# KiCad board reverse.kicad_pcb
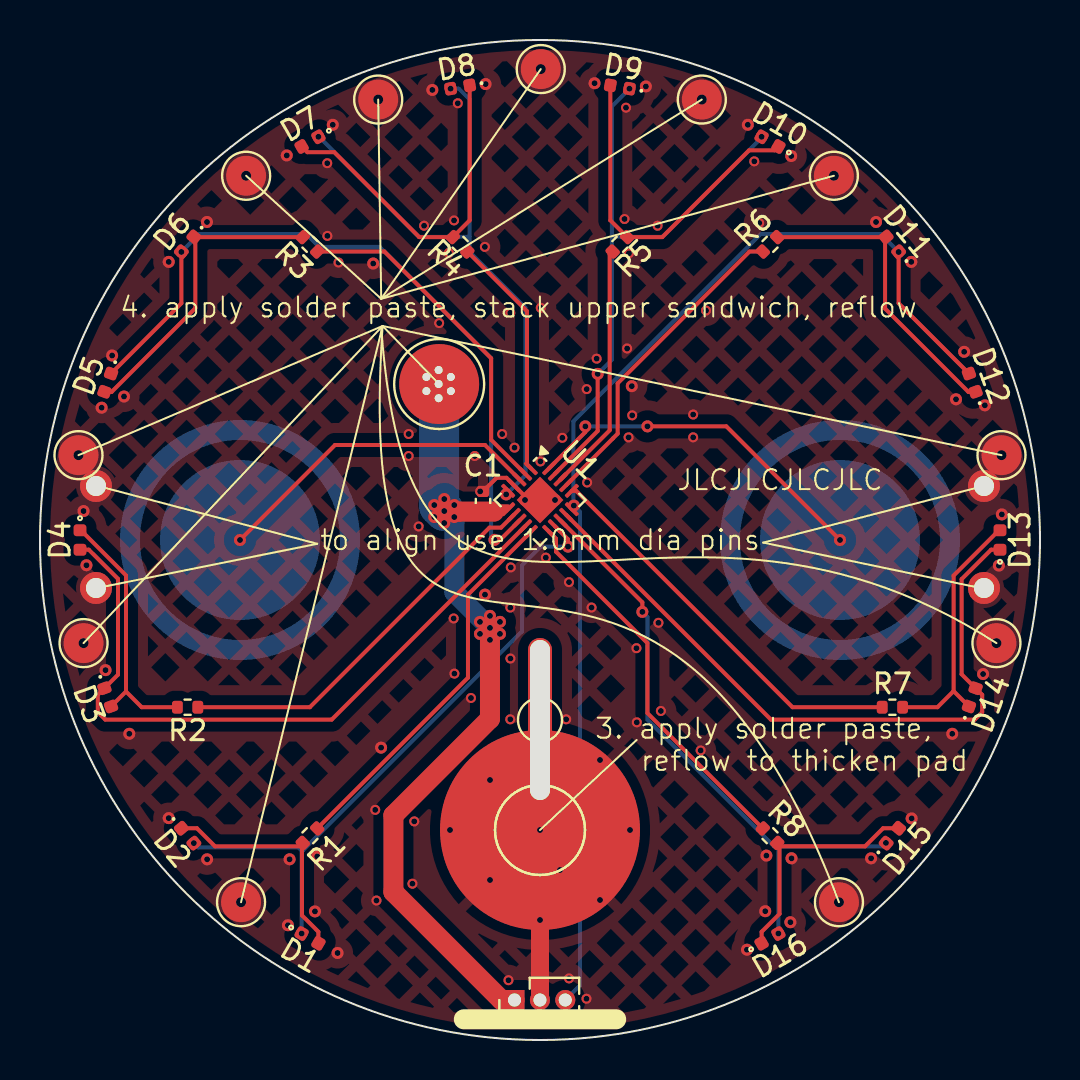
[diagram p0: board, top side]
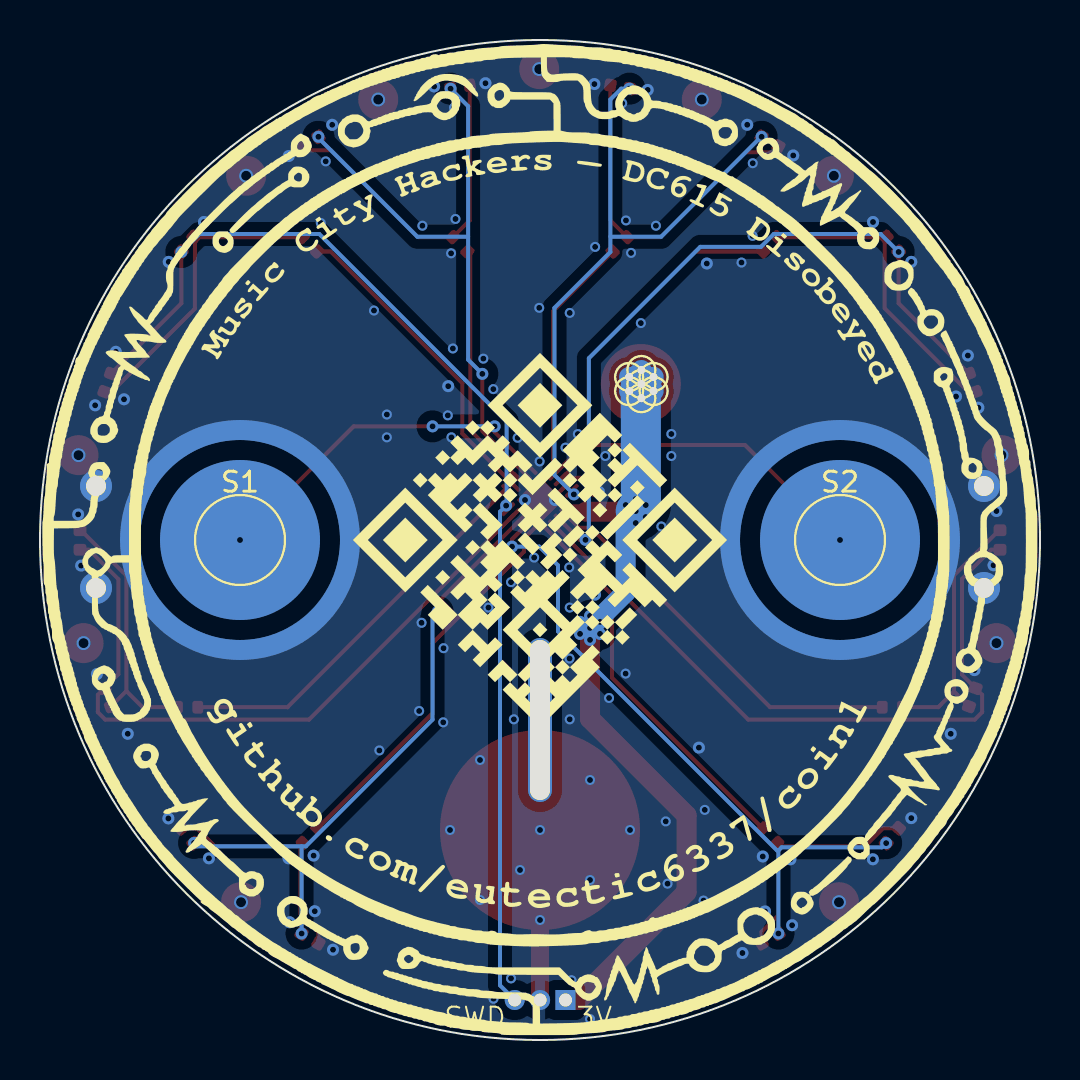
[diagram p1: board, bottom side, seen from below]

Outline 50 x 50 mm; copper layers: Top, Bottom. Coordinates in mm from the lower left corner of the outline.
Outline path: circle c25,25 r25

## Placement (name value [footprint] x y rotation side)
-  BAT-  [TestPoint_Pad_D4.0mm#2]  25 10.5 0 top  (not fitted)
align-r1  -  [unnamed]  2.8 27.7 0 top  (not fitted)
align-r2  -  [unnamed]  47.2 27.7 0 top  (not fitted)
align-r3  -  [unnamed]  2.8 22.6 0 top  (not fitted)
align-r4  -  [unnamed]  47.2 22.6 0 top  (not fitted)
B1  BAT-  [TestPoint_Pad_D4.0mm]  25 10.5 0 top  (not fitted)
battery-eject1  -  [TestPoint_THTPad_3.0x3.0mm_Drill1.5mm]  25 16 0 top
C1  1uF  [C_0402_1005Metric]  22.15 26.95 90 top
contact-r1  -  [TestPoint_Pad_D4.0mm]  19.96 32.8 180 top  (not fitted)
D1  LED  [LED_0402_1005Metric]  13.5 5.08 330 top
D2  LED  [LED_0402_1005Metric]  7.38 10.22 310 top
D3  LED  [LED_0402_1005Metric]  3.39 17.13 290 top
D4  LED  [LED_0402_1005Metric]  2 25 270 top
D5  LED  [LED_0402_1005Metric]  3.39 32.87 250 top
D6  LED  [LED_0402_1005Metric]  7.38 39.78 230 top
D7  LED  [LED_0402_1005Metric]  13.5 44.92 210 top
D8  LED  [LED_0402_1005Metric]  21.01 47.65 190 top
D9  LED  [LED_0402_1005Metric]  28.99 47.65 170 top
D10  LED  [LED_0402_1005Metric]  36.5 44.92 150 top
D11  LED  [LED_0402_1005Metric]  42.62 39.78 130 top
D12  LED  [LED_0402_1005Metric]  46.61 32.87 110 top
D13  LED  [LED_0402_1005Metric]  48 25 90 top
D14  LED  [LED_0402_1005Metric]  46.61 17.13 70 top
D15  LED  [LED_0402_1005Metric]  42.62 10.22 50 top
D16  LED  [LED_0402_1005Metric]  36.5 5.08 30 top
J1  Conn_01x03  [PinHeader_1x03_P1.27mm_Vertical]  23.73 2 90 top  (not fitted)
R1  22R  [R_0402_1005Metric]  13.5 10.22 225 top
R2  22R  [R_0402_1005Metric]  7.38 16.64 180 top
R3  22R  [R_0402_1005Metric]  13.5 39.78 135 top
R4  22R  [R_0402_1005Metric]  21.01 39.78 135 top
R5  22R  [R_0402_1005Metric]  28.99 39.78 45 top
R6  22R  [R_0402_1005Metric]  36.5 39.78 45 top
R7  22R  [R_0402_1005Metric]  42.62 16.64 0 top
R8  22R  [R_0402_1005Metric]  36.5 10.22 315 top
S1  touch  [TestPoint_Pad_D4.0mm#3]  40 25 180 bottom  (not fitted)
S2  touch  [TestPoint_Pad_D4.0mm#3]  10 25 180 bottom  (not fitted)
solder1  -  [TestPoint_Pad_D1.0mm]  19.93 32.8 180 bottom
solder2  -  [TestPoint_Pad_D1.0mm]  19.93 33.5 180 bottom
solder3  -  [TestPoint_Pad_D1.0mm]  20.54 33.15 180 bottom
solder4  -  [TestPoint_Pad_D1.0mm]  20.54 32.44 180 bottom
solder5  -  [TestPoint_Pad_D1.0mm]  19.93 32.09 180 bottom
solder6  -  [TestPoint_Pad_D1.0mm]  19.32 32.44 180 bottom
solder7  -  [TestPoint_Pad_D1.0mm]  19.32 33.15 180 bottom
stitch1  -  [TestPoint_Pad_D2.0mm]  1.92 29.24 0 top  (not fitted)
stitch1#2  -  [TestPoint_Pad_D2.0mm]  16.91 47.02 0 top  (not fitted)
stitch1#3  -  [TestPoint_Pad_D2.0mm]  2.18 19.84 0 top  (not fitted)
stitch1#4  -  [TestPoint_Pad_D2.0mm]  10.31 43.21 0 top  (not fitted)
stitch1#5  -  [TestPoint_Pad_D2.0mm]  10.05 6.89 0 top  (not fitted)
stitch1#6  -  [TestPoint_Pad_D2.0mm]  39.95 6.89 0 top  (not fitted)
stitch1#7  -  [TestPoint_Pad_D2.0mm]  48.08 29.24 0 top  (not fitted)
stitch1#8  -  [TestPoint_Pad_D2.0mm]  39.69 43.21 0 top  (not fitted)
stitch1#9  -  [TestPoint_Pad_D2.0mm]  47.82 19.84 0 top  (not fitted)
stitch1#10  -  [TestPoint_Pad_D2.0mm]  33.09 47.02 0 top  (not fitted)
stitch1#11  -  [TestPoint_Pad_D2.0mm]  25.04 48.55 0 top  (not fitted)
U1  CH32V003F4U6  [QFN-20-1EP_3x3mm_P0.4mm_EP1.65x1.65mm]  25 27 315 top

## Library data of the parts
- B1 S1 S2 = -: Description: test point; ki_fp_filters: Pin* Test*
C1 = -: Datasheet: https://jlcpcb.com/api/file/downloadByFileSystemAccessId/8579705910383595520; Description: Unpolarized capacitor; JLC: C25092; ki_fp_filters: C_*
D1-D16 = -: Datasheet: https://www.lcsc.com/datasheet/lcsc_datasheet_2402181505_XINGLIGHT-XL-1005SURC_C965790.pdf; Description: Light emitting diode; LCSC: C965790; ki_fp_filters: LED* LED_SMD:* LED_THT:*
J1 = -: Description: Generic connector, single row, 01x03, script generated (kicad-library-utils/schlib/autogen/connector/); ki_fp_filters: Connector*:*_1x??_*
R1-R8 = -: Datasheet: https://jlcpcb.com/api/file/downloadByFileSystemAccessId/8602999349706444800; Description: Resistor; JLC: C7496803; ki_fp_filters: R_*
U1 = -: Datasheet: https://www.wch-ic.com/downloads/CH32V003DS0_PDF.html; Description: industrial-grade general-purpose microcontroller; LCSC: C5299908; JLC: C5299908; ki_fp_filters: DIP*W7.62mm* PDIP*W7.62mm*

## Footprints (pads in the part's own frame, mm; a bottom-side part is the same pattern mirrored in y, then rotated)
C_0402_1005Metric
  rrect 0.56x0.62 smd: 1(-0.48,0) 2(0.48,0)
LED_0402_1005Metric
  rrect 0.59x0.64 smd: 1(-0.485,0) 2(0.485,0)
PinHeader_1x03_P1.27mm_Vertical
  rect 1x1 hole 0.65: 1(0,0)
  oval 1x1 hole 0.65: 2(0,-1.27) 3(0,-2.54)
QFN-20-1EP_3x3mm_P0.4mm_EP1.65x1.65mm
  rrect 0.67x0.67 smd: (-0.41,0.41) (-0.41,-0.41) (0.41,0.41) (0.41,-0.41)
  rrect 0.85x0.2 smd: 1(-1.45,0.8) 2(-1.45,0.4) 3(-1.45,0) 4(-1.45,-0.4) 5(-1.45,-0.8) 11(1.45,-0.8) 12(1.45,-0.4) 13(1.45,0) 14(1.45,0.4) 15(1.45,0.8)
  rrect 0.2x0.85 smd: 6(-0.8,-1.45) 7(-0.4,-1.45) 8(0,-1.45) 9(0.4,-1.45) 10(0.8,-1.45) 16(0.8,1.45) 17(0.4,1.45) 18(0,1.45) 19(-0.4,1.45) 20(-0.8,1.45)
  rect 1.65x1.65 smd: 21(0,0)
R_0402_1005Metric
  rrect 0.54x0.64 smd: 1(-0.51,0) 2(0.51,0)
TestPoint_Pad_D1.0mm
  round 1 hole 0.4: 1(0,0)
TestPoint_Pad_D2.0mm
  round 2 smd: 1(0,0)
TestPoint_Pad_D4.0mm
  round 4 smd: 1(0,0)
TestPoint_Pad_D4.0mm#2
  round 10 smd: 1(0,0)
TestPoint_Pad_D4.0mm#3
  oval 8x8 smd: 1(0,0)
TestPoint_THTPad_3.0x3.0mm_Drill1.5mm
  oval 1.2x8.2 hole 1x8 unplated: (0,0)
unnamed
  round 1.6 hole 1: 1(0,0)

## Nets
+3V0: C1.1 contact-r1.1 J1.1 solder1.1 solder2.1 solder3.1 solder4.1 solder5.1 solder6.1 solder7.1 U1.6
GND: -.1 align-r1.1 align-r2.1 align-r3.1 align-r4.1 B1.1 C1.2 J1.2 stitch1.1 stitch1#2.1 stitch1#3.1 stitch1#4.1 stitch1#5.1 stitch1#6.1 stitch1#7.1 stitch1#8.1 stitch1#9.1 stitch1#10.1 stitch1#11.1 U1.4 U1.21
/touch1: S1.1 U1.20
/touch2: S2.1 U1.3
GP1: D1.1 D2.2 U1.12
GP2: D3.1 D4.2 U1.9
GP3: D5.1 D6.2 U1.8
GP4: D7.1 D8.2 U1.5
GP5: D9.1 D10.2 U1.19
GP6: D11.1 D12.2 J1.3 U1.15
GP7: D13.1 D14.2 U1.14
GP8: D15.1 D16.2 U1.13
PWM1: R1.1 U1.10
PWM2: R2.1 U1.7
PWM3: R3.1 U1.2
PWM4: R4.1 U1.1
PWM5: R5.1 U1.18
PWM6: R6.1 U1.17
PWM7: R7.1 U1.16
PWM8: R8.1 U1.11
Net-(D1-A): D1.2 D2.1 R1.2
Net-(D3-A): D3.2 D4.1 R2.2
Net-(D5-A): D5.2 D6.1 R3.2
Net-(D7-A): D7.2 D8.1 R4.2
Net-(D10-K): D9.2 D10.1 R5.2
Net-(D11-A): D11.2 D12.1 R6.2
Net-(D13-A): D13.2 D14.1 R7.2
Net-(D15-A): D15.2 D16.1 R8.2

## Via types
v1: diameter 0.6, hole 0.3, Top to Bottom, 80 vias
v2: diameter 0.5, hole 0.3, Top to Bottom, 68 vias
v3: diameter 0.7, hole 0.5, Top to Bottom, 11 vias

## Routing (per net, layer and track width the routed paths; a pad name or vN(x,y) marks a point on that pad's centre or on a via; arc(x,y) is an arc through that point)
+3V0: length 41.8
  Top w0.3: 23.41,26.63 22.15,26.63 ; 23.13,26.45 21.87,26.45
  Top w1: v1(22.5,20.61) 22.5,16.06 17.67,11.23 17.67,7.4 23.07,2 J1.1 ; 22.7,26.42 20.24,26.42 v1(20.21,26.45)
  Bottom w1: v1(22.5,20.61) 20.72,22.38 20.72,25.94 v1(20.21,26.45)
  Bottom w2: v1(20.21,26.45) 19.96,26.7 contact-r1.1
  vias: v1(19.71,26.75) v1(19.71,26.15) v1(20.21,27.05) v1(20.21,25.85) v1(20.71,26.75) v1(20.71,26.15) v1(22,20.91) v1(22,20.31) v1(22.5,21.21) v1(22.5,20.01) v1(23,20.91) v1(23,20.31)
GND: length 19
  Top w0.2: v1(24.25,27) 24.25,27.18 U1.4 23.32,28.11 22.83,28.11 C1.2
  Top w0.9: J1.2 25,2 25,3.33 25,3.33 25,3.34 v2(25,10.5) 25,18
  vias: v1(2.18,26.45) v1(2.32,23.74) v1(3.08,31.62) v1(3.28,18.49) v1(3.61,34.22) v1(4.2,32.17) v1(4.46,15.31) v1(6.44,38.91) v1(6.44,11.09) v1(8.35,40.9) v1(8.36,9.03) v1(12.34,44.23) v1(12.4,5.74) v1(12.48,9.03) v1(13.75,6.43) v1(13.86,9.18) v1(14.64,45.76) v1(14.88,4.35) v1(16.66,38.82) v1(17.05,14.62) v1(19.62,47.5) v1(22.25,22.27) v1(22.28,47.8) v1(25.75,27) v1(27.73,47.84) v1(29.59,32.69) v1(30.29,47.68) v1(35.35,4.51) v1(35.39,45.76) v1(36.32,9.22) v1(36.26,6.44) v1(37.52,5.89) v1(37.56,44.2) v1(37.58,9.08) v1(41.55,9.08) v1(41.8,40.9) v1(43.56,38.91) v1(43.58,11.08) v1(45.61,15.31) v1(45.8,32.04) v1(46.21,34.41) v1(47.24,31.73) v1(47.15,18.3) v1(47.94,23.72) v1(48.09,26.28) v2(14.36,43.84) v2(14.37,40.21) v2(14.93,38.87) v2(16.76,11.51) v2(16.82,6.97) v2(18.43,30.3) v2(18.43,29.2) v2(18.62,7.82) v2(18.71,10.93) v2(18.93,25.68) v2(19.2,40.71) v2(19.96,35.85) v2(20.45,39.36) v2(20.5,10.5) v2(20.7,40.98) v2(20.68,21.08) v2(20.72,18.32) v2(20.89,46.84) v2(21.55,17.1) v2(21.74,29.2) v2(22.01,27.43) v2(22.24,39.66) v2(22.5,13) v2(22.5,8) v2(22.5,1.05) v2(23.11,30.3) v2(23.42,2.99) v2(23.51,36.35) v2(23.54,23.63) v2(23.51,21.62) v2(23.52,19.07) v2(23.51,16.03) v2(23.73,29.62) v2(25.04,36.61) v2(25.02,28.93) v2(25,6) v2(25.29,24.12) v2(26,8.5) v2(26.12,30.11) v2(26.31,16.03) v2(26.45,22.89) v2(26.45,3.08) v2(27.33,32.54) v2(27.32,2.06) v2(27.36,27.88) v2(27.58,21.62) v2(27.83,34.07) v2(28,14) v2(28,7) v2(29.23,41.05) v2(29.3,46.62) v2(29.45,39.33) v2(29.36,34.58) v2(29.43,30.13) v2(29.5,10.5) v2(29.61,31.23) v2(29.82,19.59) v2(29.84,15.88) v2(30.88,40.71) v2(30.92,20.86) v2(31.04,16.45) v2(32.66,31.27) v2(32.66,30.13) v2(33.03,14.48) v2(33.3,36.47) v2(35.71,43.93) v2(35.96,40.85) v3(1.92,29.24) v3(2.18,19.84) v3(10.05,6.89) v3(10.31,43.21) v3(16.91,47.02) v3(25.04,48.55) v3(33.09,47.02) v3(39.69,43.21) v3(39.95,6.89) v3(47.82,19.84) v3(48.08,29.24)
/touch1: length 17.9
  Top w0.2: v1(27.27,30.68) 27.27,30.4 U1.20 ; v1(40,25) 34.32,30.68 v1(30.37,30.68)
  Bottom w0.2: v1(27.27,30.68) v1(30.37,30.68)
/touch2: length 16.7
  Top w0.2: U1.3 22.25,29.75 14.75,29.75 v1(10,25)
GP1: length 32.5
  Top w0.2: U1.12 26.4,25.03 v1(26.4,24.67) ; 7.7,9.86 v1(7.69,9.84)
  Bottom w0.2: 13.08,9.47 13.14,9.47 24.1,20.43 24.1,23.73 25.04,24.67 v1(26.4,24.67) ; 13.08,9.47 v1(13.08,5.32) ; 13.08,9.47 12.92,9.63 7.9,9.63 v1(7.69,9.84)
GP2: length 35.1
  Top w0.2: U1.9 14.59,16.02 3.26,16.02 2.89,16.39 2.89,17.26 D3.1 3.9,18.27 3.9,23.06 2.44,24.52 D4.2
GP3: length 37
  Top w0.2: v1(22.72,25.01) 23.01,25.01 U1.8 ; 3.65,33.23 D5.1 7.07,36.84 v1(7.07,39.4) D6.2 7.02,39.36
  Bottom w0.2: v1(7.07,39.4) 7.97,40.3 13.31,40.3 13.95,39.66 16.99,39.66 22.56,34.09 22.56,25.17 v1(22.72,25.01)
GP4: length 32.4
  Top w0.2: v1(23.31,27.28) 23.31,27.36 U1.5 ; 20.5,47.53 v1(20.53,47.57)
  Bottom w0.2: v1(23.31,27.28) 24.28,28.25 24.28,36.61 21.48,39.4 21.48,47.02 20.94,47.57 v1(20.53,47.57) ; v1(13.92,45.16) 13.94,45.16 18.94,40.16 21.48,40.16
GP5: length 30.5
  Top w0.2: 29.5,47.53 v1(29.47,47.57) 29.53,47.57 ; U1.19 27.88,30.45 v1(27.88,33.31)
  Bottom w0.2: v1(29.47,47.57) 28.59,46.69 28.59,34.02 v1(27.88,33.31) ; v1(36.08,45.16) 36.08,45.11 31.13,40.16 28.59,40.16
GP6: length 57.6
  Top w0.2: D11.1 v1(42.93,39.4) 42.93,36.84 D12.2 46.35,33.23
  Bottom w0.2: J1.3 27,2.73 27,26.41 v1(26.69,26.72) 26.67,26.75 26.67,30.93 36.04,40.3 42.03,40.3 v1(42.93,39.4)
GP7: length 34.8
  Top w0.2: U1.14 36.55,16.02 46.74,16.02 47.11,16.39 47.11,17.26 D14.2 46.08,18.29 46.08,23.04 47.56,24.52 D13.1
GP8: length 30.8
  Top w0.2: U1.13 30.12,21.88 v1(30.12,21.41) ; v1(42.3,9.86) D15.1 ; 36.86,5.38 v1(36.92,5.32)
  Bottom w0.2: v1(42.3,9.86) 42.13,9.68 36.92,9.68 ; 36.92,9.68 36.71,9.68 30.37,16.02 30.37,21.15 v1(30.12,21.41) ; 36.92,9.68 v1(36.92,5.32)
PWM1: length 19.3
  Top w0.2: R1.1 21.4,18.11 21.4,22.27 U1.10
PWM2: length 19.8
  Top w0.2: U1.7 23.05,25.62 22.47,25.62 13.49,16.64 R2.1
PWM3: length 17.4
  Top w0.2: U1.2 22.56,30.01 22.56,34.09 17.22,39.42 R3.1
PWM4: length 12.1
  Top w0.2: U1.1 24.35,28.78 24.35,36.44 R4.1
PWM5: length 12.8
  Top w0.2: R5.1 28.48,39.27 28.48,30.48 U1.18 26.27,28.27
PWM6: length 16.1
  Top w0.2: R6.1 35.47,39.42 28.88,32.83 28.88,30.32 U1.17
PWM7: length 20
  Top w0.2: U1.16 26.8,27.46 37.62,16.64 R7.1
PWM8: length 19.3
  Top w0.2: U1.11 25.8,25.07 25.8,24.42 30.37,19.84 30.37,16.34 R8.1
Net-(D1-A): length 12
  Top w0.2: R1.2 13.1,9.82 13.1,6.23 13.92,5.41 D1.2 ; R1.2 12.97,9.68 8.75,9.68 7.84,10.59 D2.1 ; R1.2 13.08,9.8
Net-(D3-A): length 13
  Top w0.2: D3.2 4.3,17.42 ; 4.3,17.42 5.08,16.64 R2.2 ; 4.3,17.42 4.3,23.23 2.05,25.48 D4.1
Net-(D5-A): length 15.3
  Top w0.2: D5.2 3.59,32.41 7.77,36.59 7.77,40.08 D6.1 7.7,40.14 R3.2
Net-(D7-A): length 17.4
  Top w0.2: D8.1 21.48,40.98 R4.2 18.96,40.14 14.72,44.39 13.37,44.39 D7.2
Net-(D10-K): length 17.4
  Top w0.2: D10.1 36.73,44.48 35.45,44.48 31.11,40.14 R5.2 28.52,40.98 D9.2
Net-(D11-A): length 15.3
  Top w0.2: D12.1 46.41,32.41 42.25,36.57 42.25,40.1 D11.2 42.3,40.14 R6.2
Net-(D13-A): length 13
  Top w0.2: D13.2 47.94,25.48 45.68,23.22 45.68,17.44 ; 45.68,17.44 44.88,16.64 R7.2 ; 45.68,17.44 D14.1
Net-(D15-A): length 12
  Top w0.2: D15.2 42.16,10.59 41.25,9.68 37.03,9.68 R8.2 36.98,9.74 36.98,6.3 36.08,5.41 D16.1

## Copper pours and planes (outline as drawn; the poured copper is in the pictures)
GND on Top: -8.49,57.98 55.77,57.98 55.77,-0.69 55.26,-1.2 -8.74,-1.2 -8.74,57.73
GND on Bottom: -7.47,59.76 53.74,59.76 53.74,-3.23 53.23,-3.74 -6.71,-3.74 -7.22,-3.23 -7.47,-3.23

## Text on the board
B.Silkscreen: 3V | SWD
F.Silkscreen: 4. apply solder paste, stack upper sandwich, reflow | 3. apply solder paste, / reflow to thicken pad | to align use 1.0mm dia pins | JLCJLCJLCJLC
